# Altium PCB UHF-QM.PcbDoc (part 1 of 2)
Units mm, origin at the board's own origin, x right, y up, seen from the top; angles counter-clockwise.
Board outline 90.12 x 93.93 mm, 4 copper layers (Top Layer, Inner 1 GND, Inner 2 GND, Bottom Layer), stack 1.516 mm thick; 112 components, 73 nets, 469 pads, 219 vias.
Unrouted connection lines stored in the file: 5.
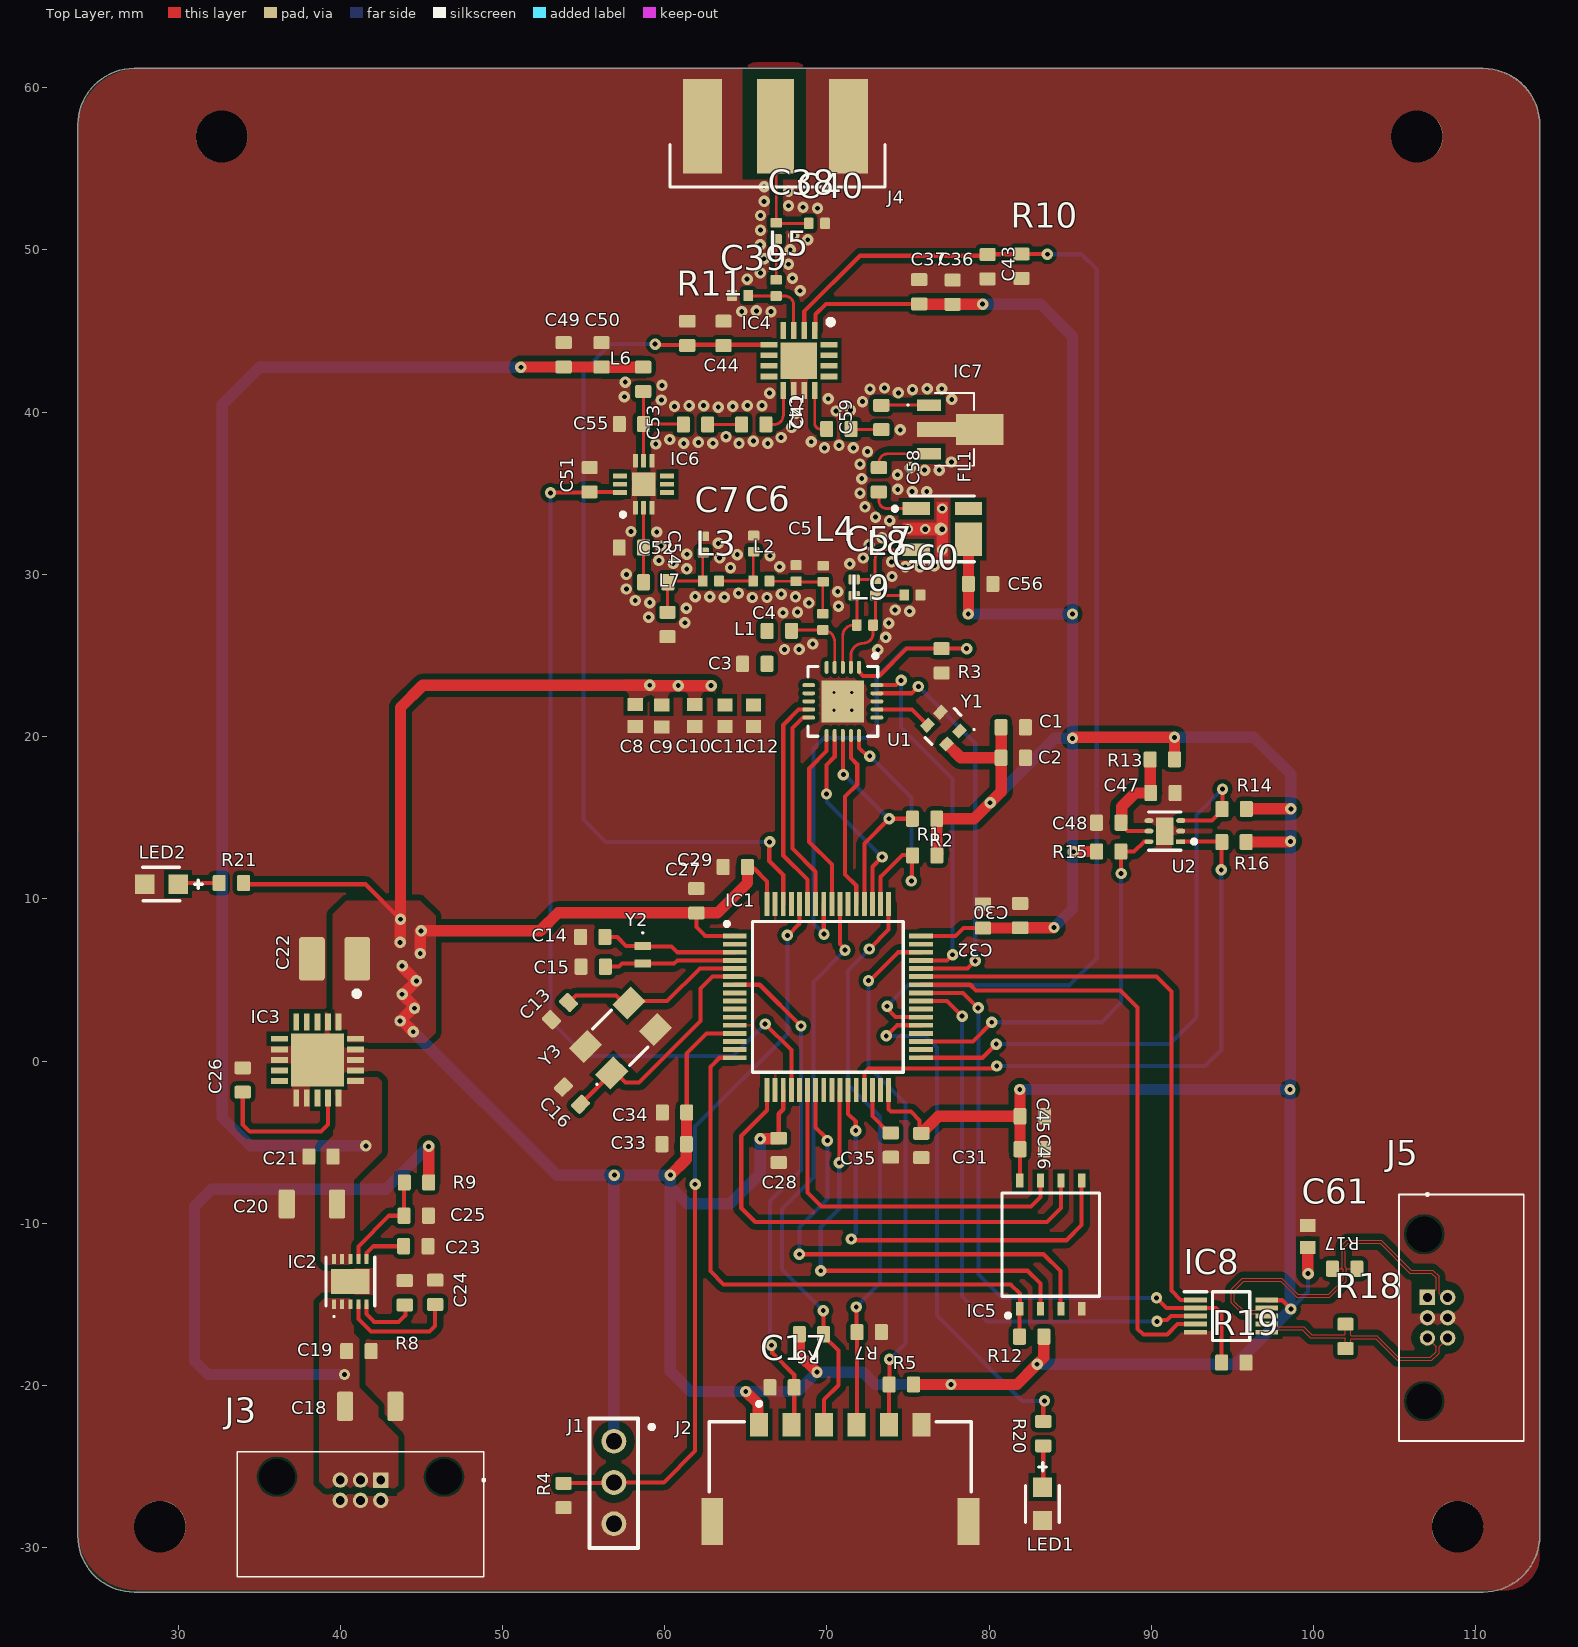
[diagram p0: Top Layer view]
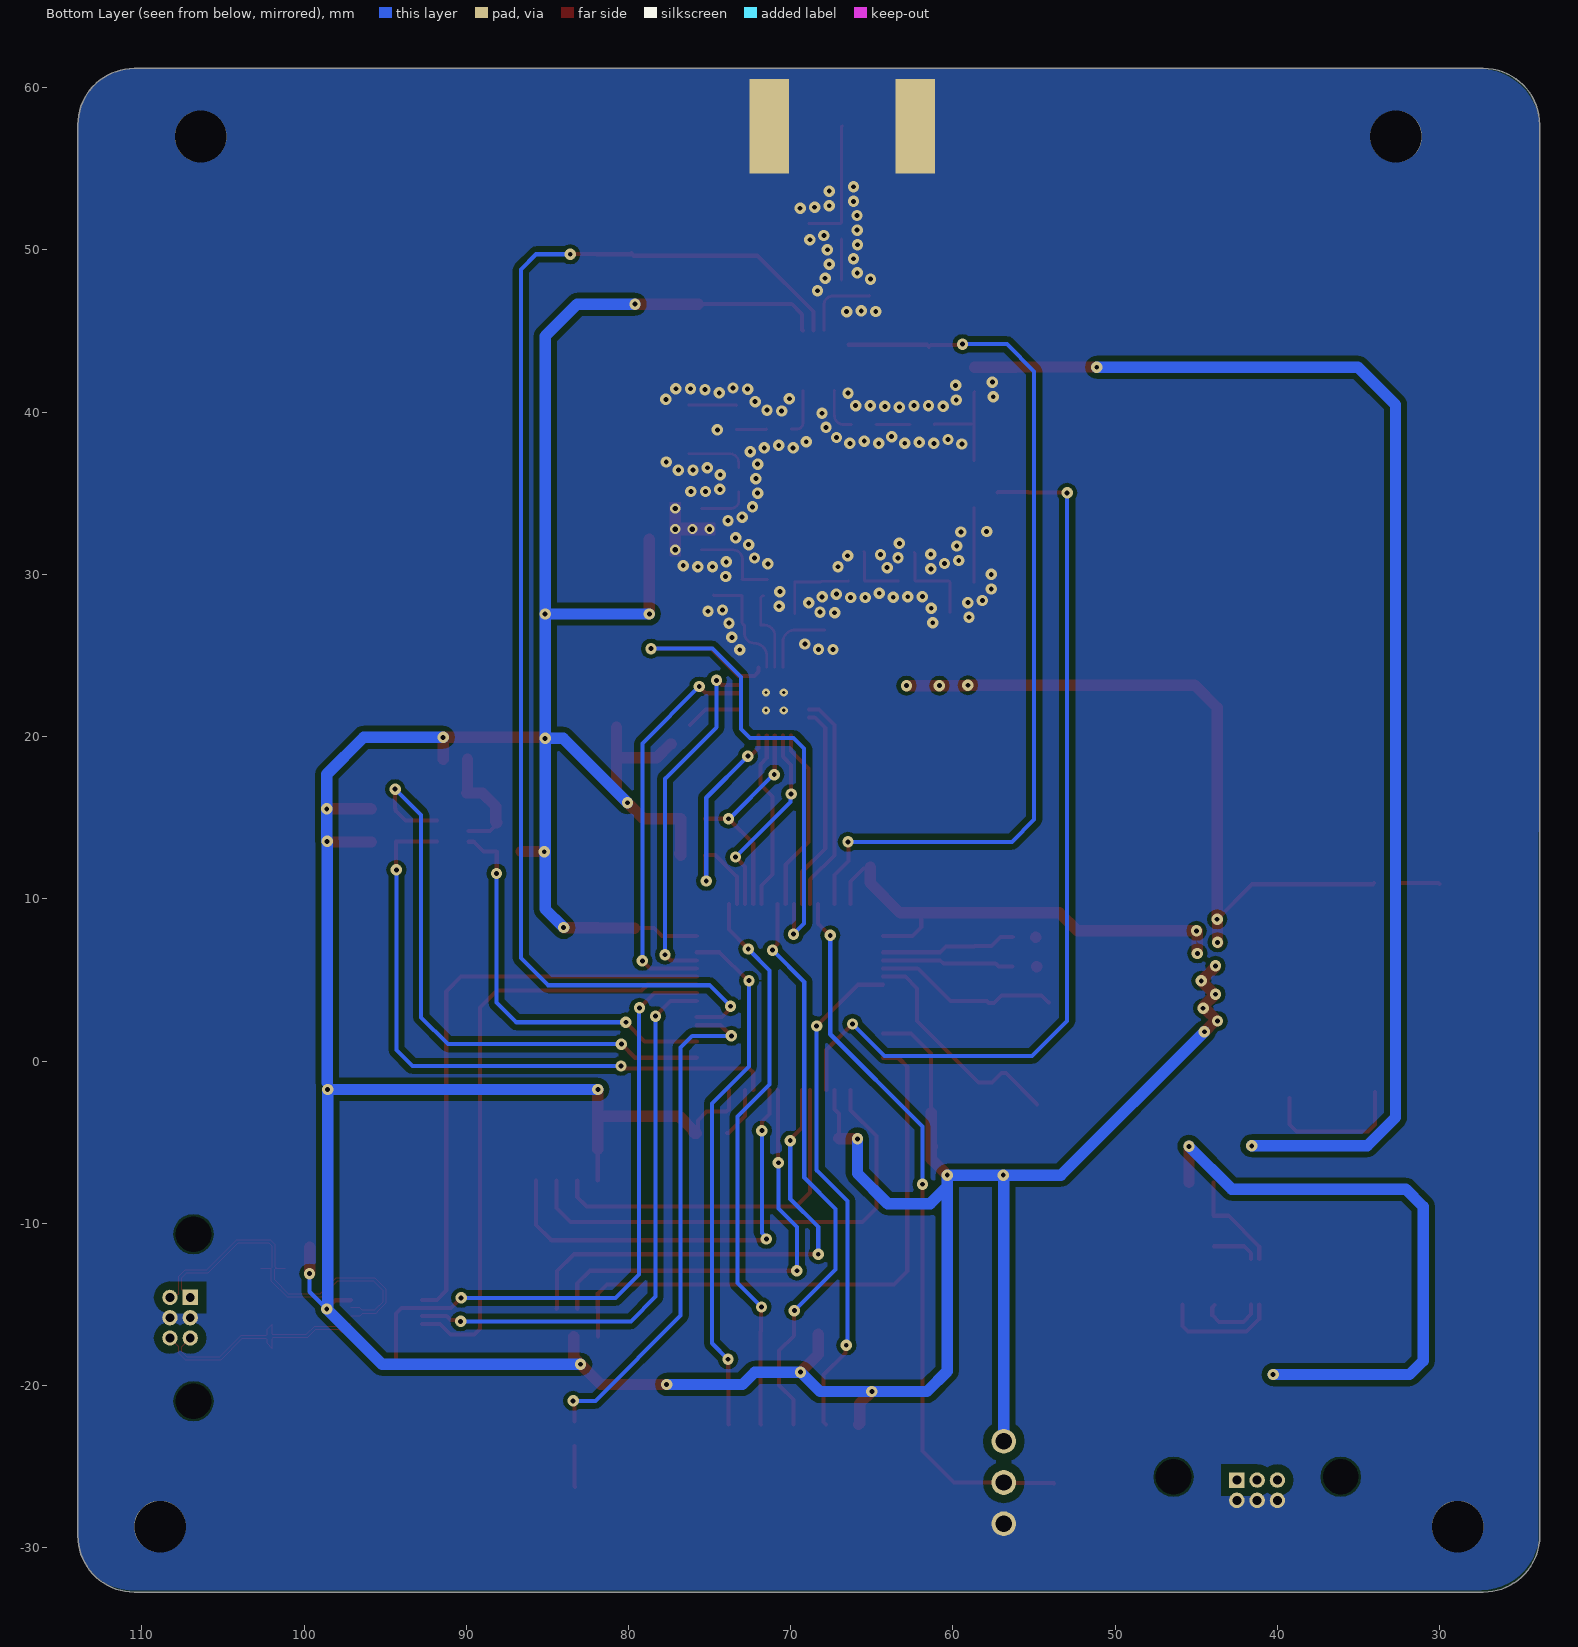
[diagram p1: Bottom Layer view, seen from below]
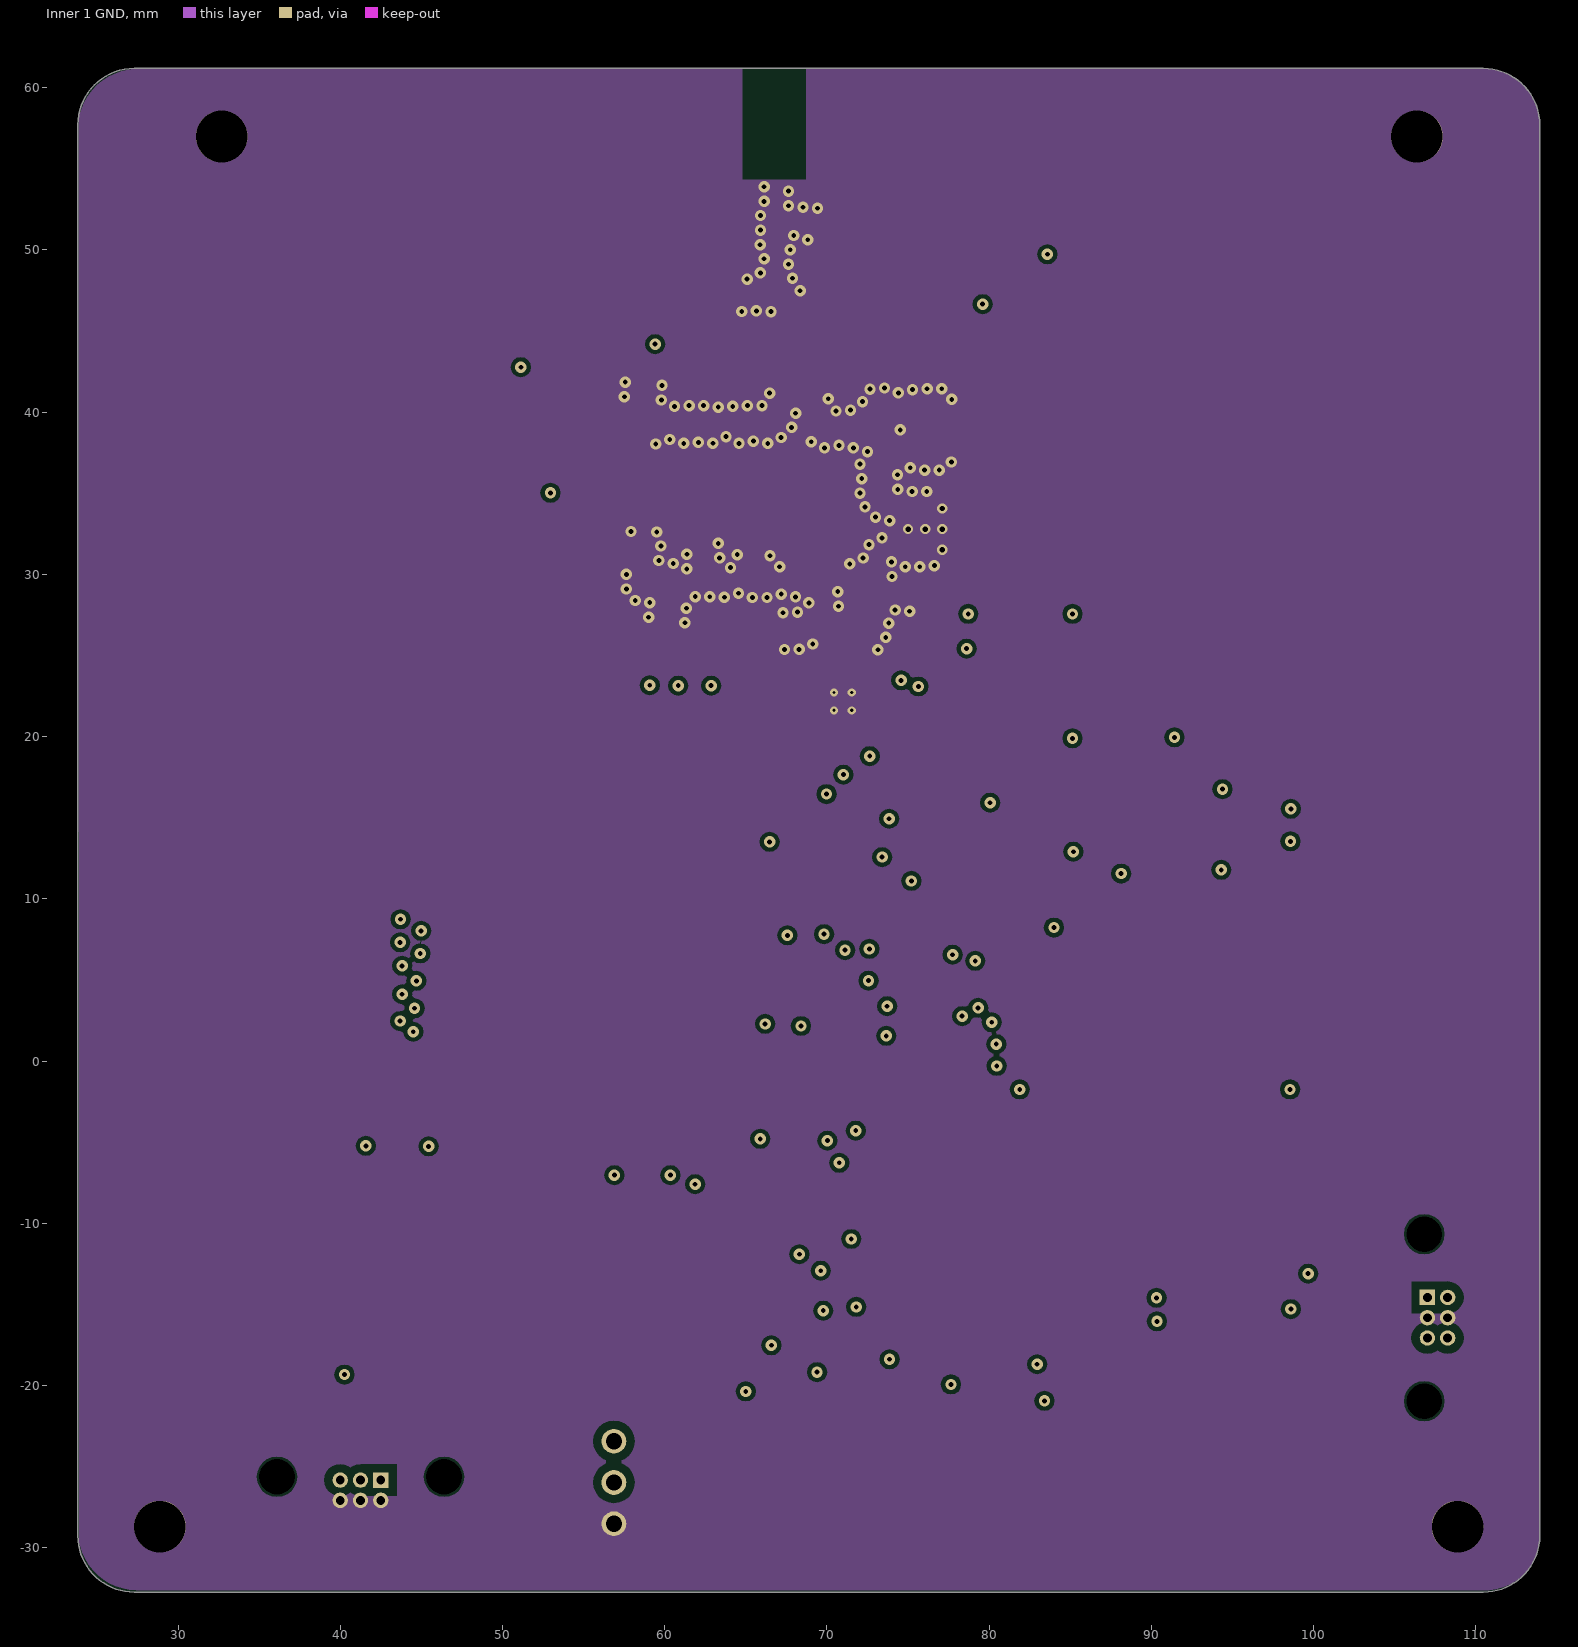
[diagram p2: Inner 1 GND]
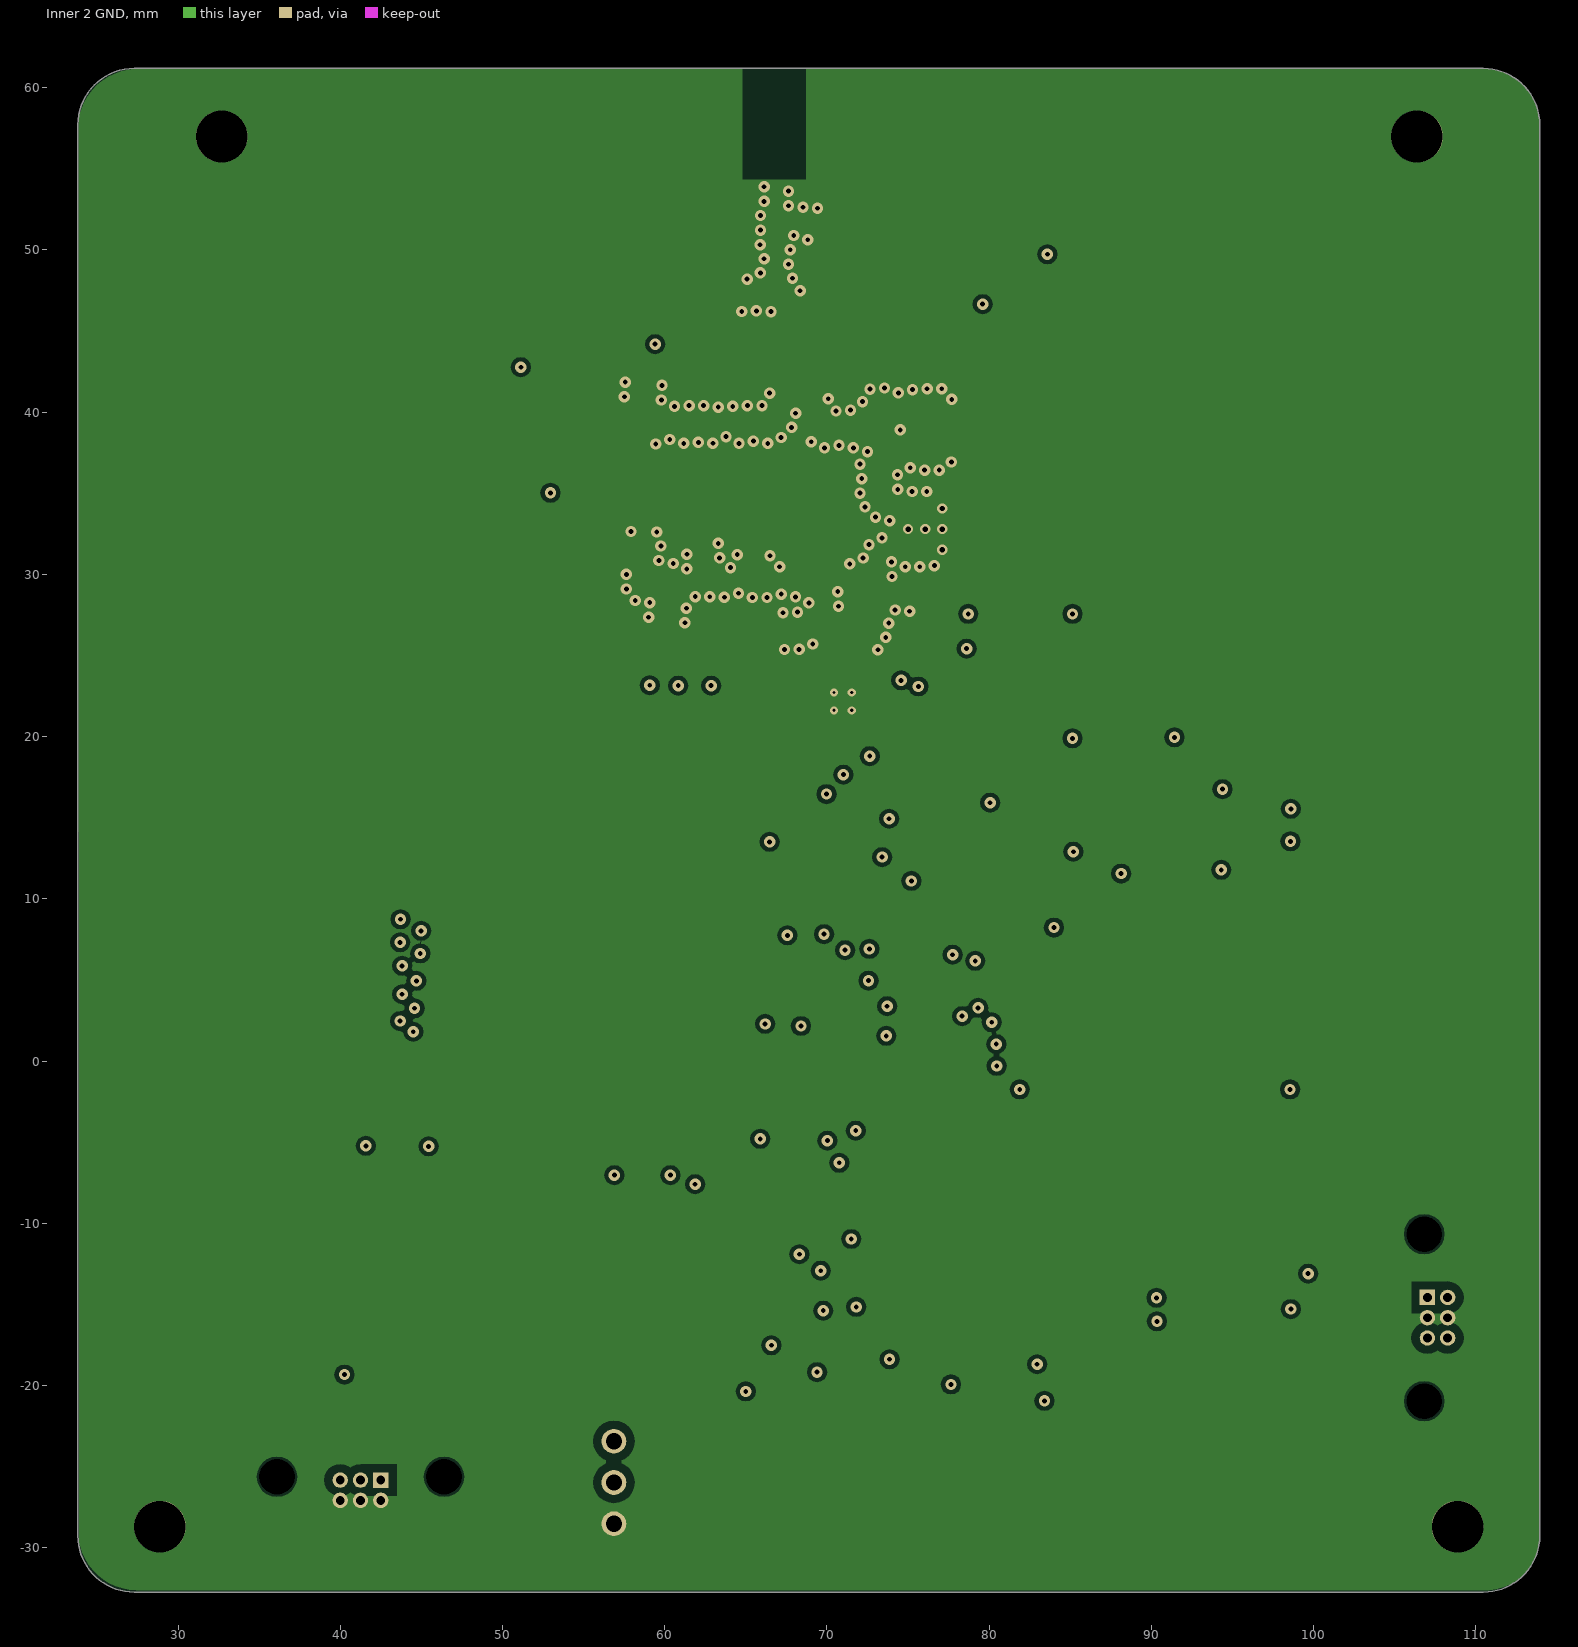
[diagram p3: Inner 2 GND]
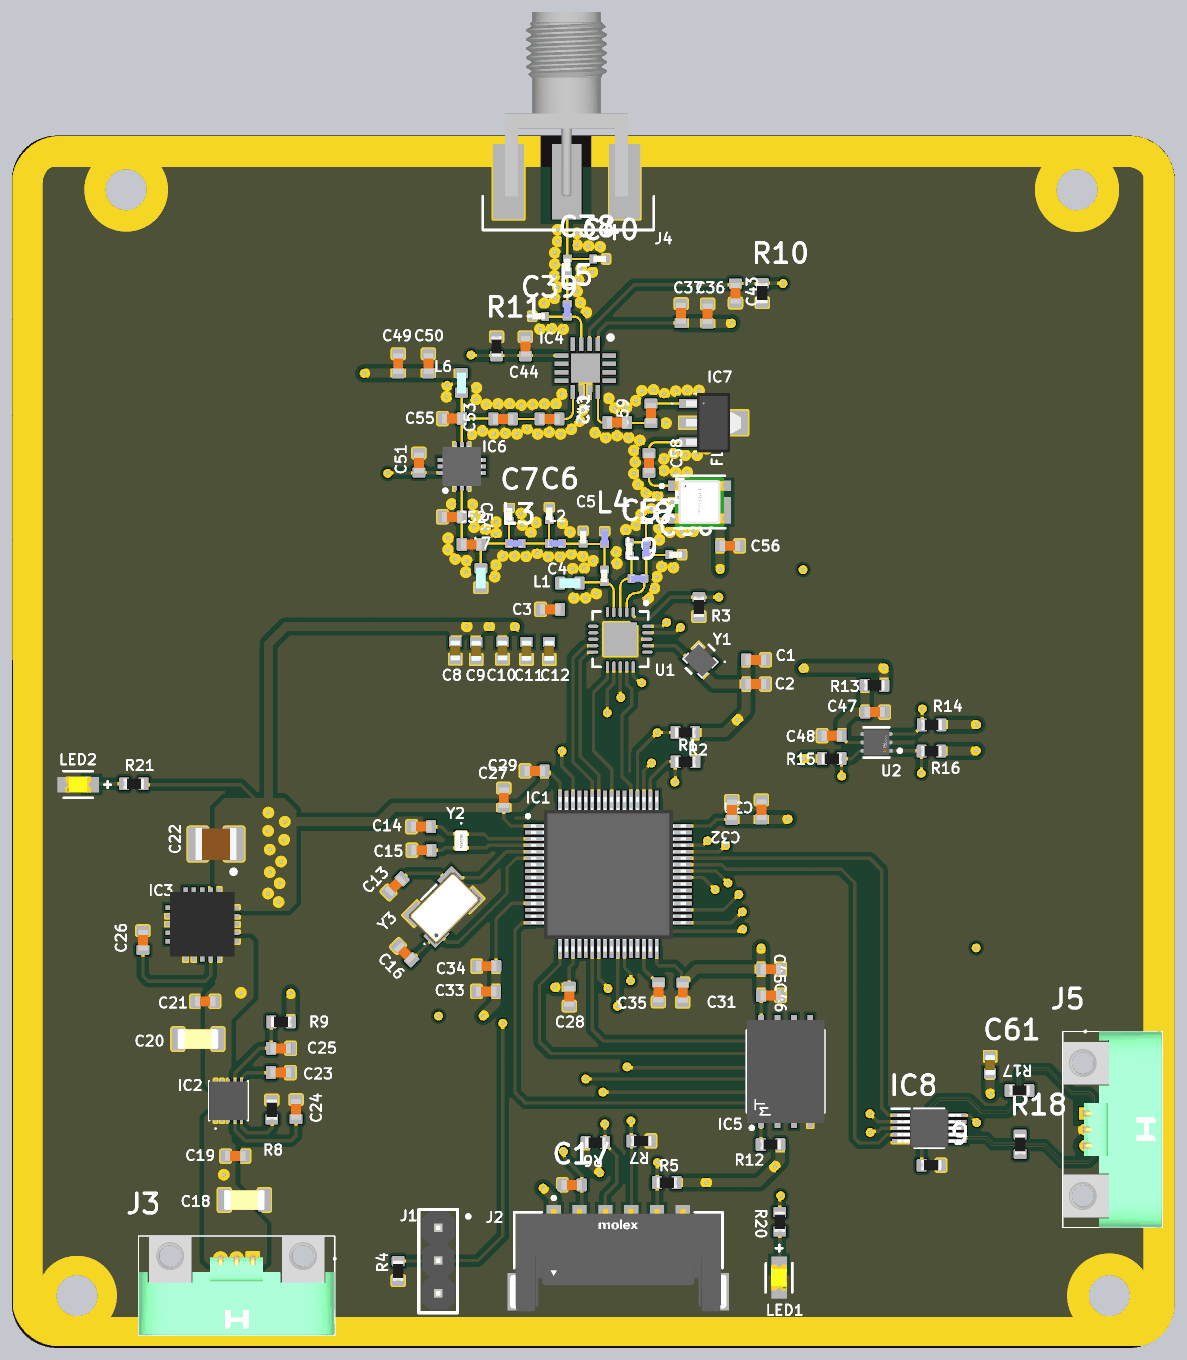
[diagram p5: 3D render of the assembled board from above, using the file's embedded part models]

## Layer stack, top to bottom
Top Solder: solder mask 0.025, SM-001, Dk 4
Top Layer: signal copper 0.018
Dielectric 1: prepreg 0.105, PP-014, Dk 4.2
Inner 1 GND: signal copper 0.035
Dielectric 3: core 1.2, Core-043, Dk 4.3
Inner 2 GND: signal copper 0.035
Dielectric 4: prepreg 0.105, PP-014, Dk 4.2
Bottom Layer: signal copper 0.018
Bottom Solder: solder mask 0.025, SM-001, Dk 4

## Board outline
23.825,-29.272 23.825,57.72 cw(c27.294,57.72) 27.294,61.189 110.476,61.189 cw(c110.476,57.72) 113.944,57.72 113.944,-29.272 cw(c110.476,-29.272) 110.476,-32.741 27.294,-32.741 cw(c27.294,-29.272)
